# KiCad board data-center-dram-tester.kicad_pcb (continued)
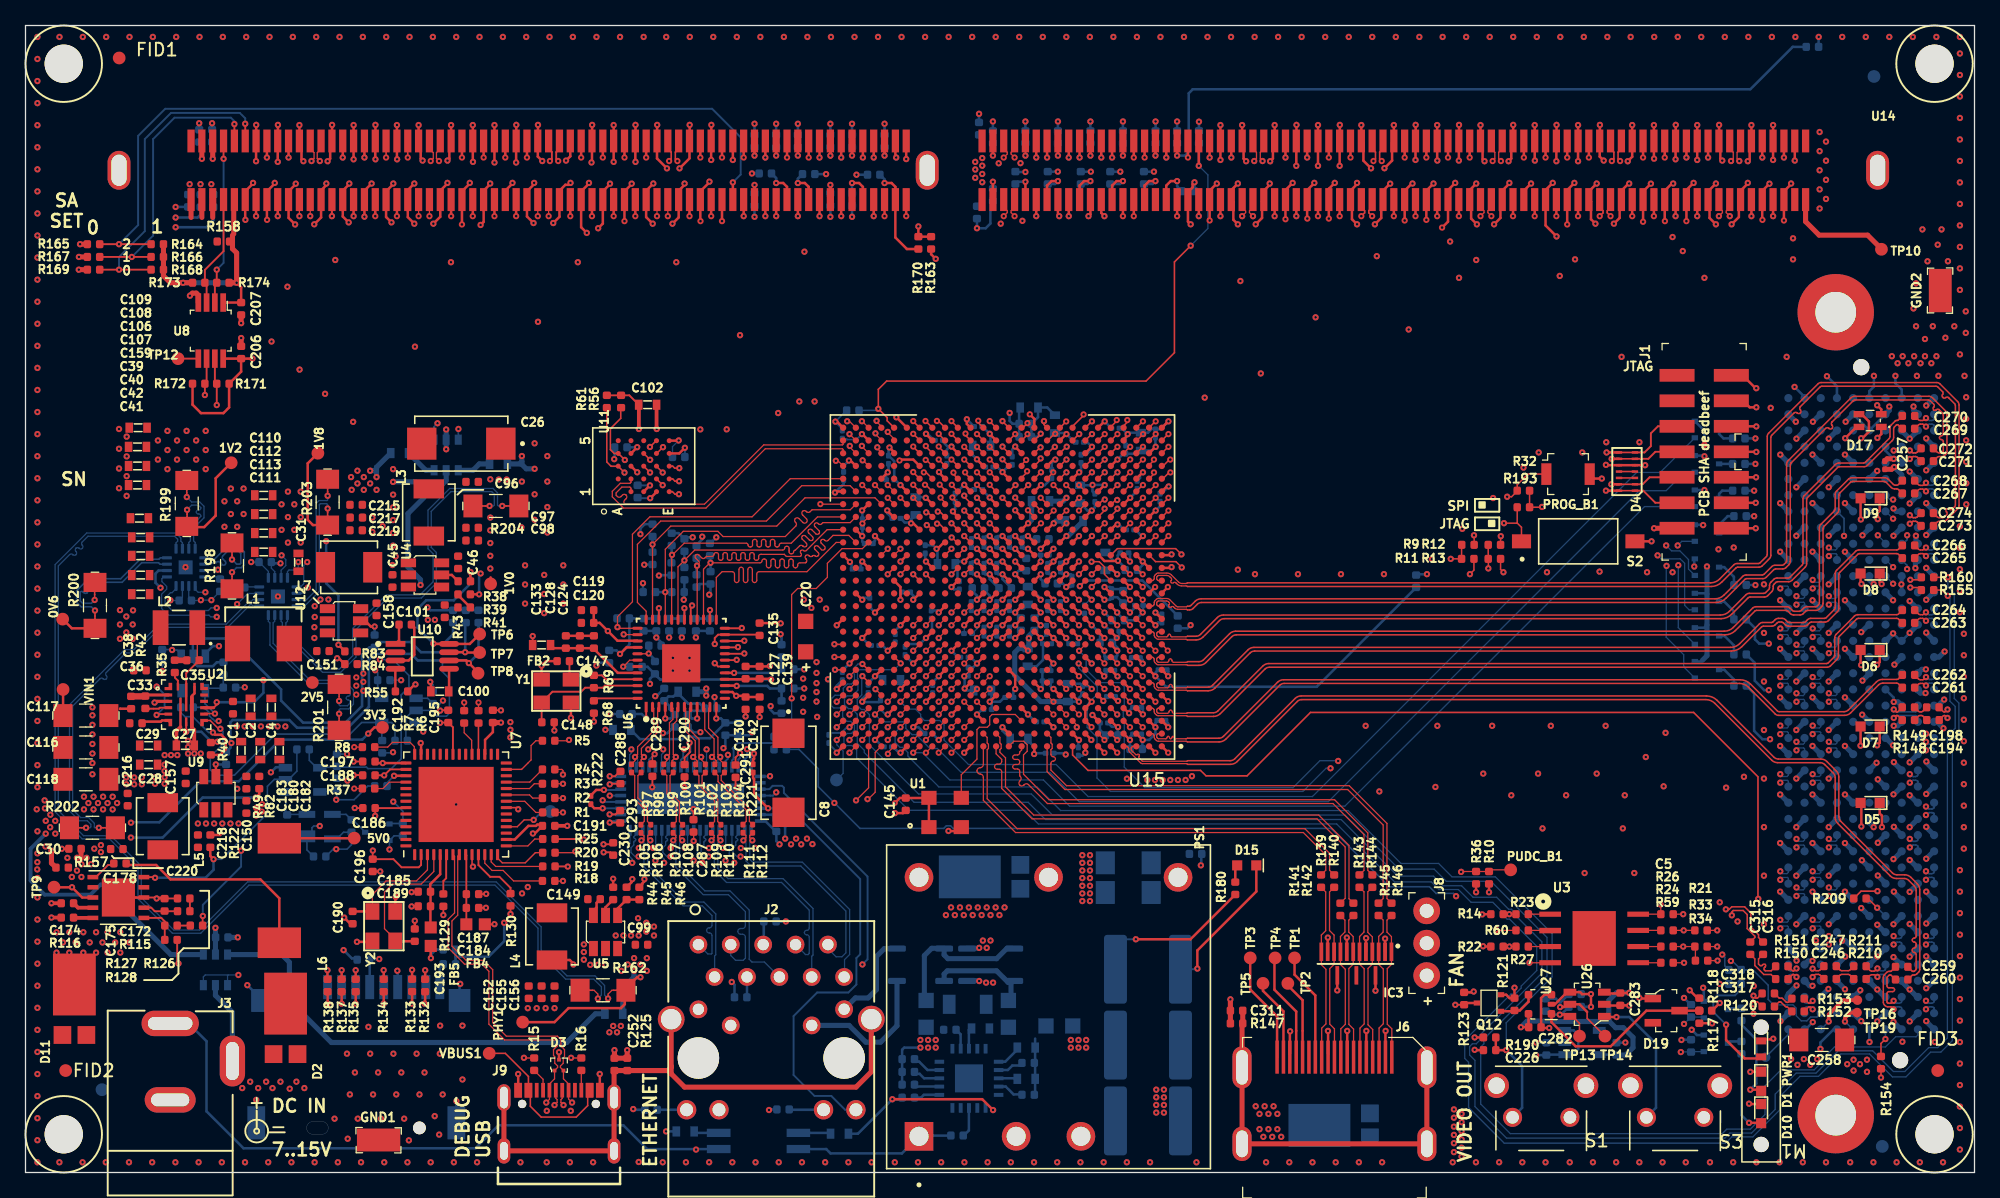
[diagram p0: board, top side]
## Routing (per net, layer and track width the routed paths; a pad name or vN(x,y) marks a point on that pad's centre or on a via; arc(x,y) is an arc through that point) (continued)
DQS0_P: length 73.9
  Top w0.1: v1(132.84,75.04) 133.11,75.31 133.11,75.45 132.84,75.72 U14.153
  Top w0.127: v1(84.66,52.81) 84.56,52.81 84.19,52.44 U15.Y6
  In9.Cu w0.1: v1(84.66,52.81) 84.95,52.81 85.01,52.87 85.01,53.24 85.3,53.52 85.83,53.52 85.99,53.69 89.19,53.69 89.54,53.33 91.18,53.33 91.2,53.35
  In9.Cu w0.143: 91.2,53.35 97.14,53.35 97.22,53.43 arc(97.57,53.58) 97.93,53.43 98.2,53.16 arc(98.34,53.1) 98.48,53.16 arc(98.54,53.3) 98.48,53.44 97.44,54.48 arc(97.3,54.83) 97.44,55.19 arc(97.8,55.33) 98.15,55.19 99.19,54.15 arc(99.33,54.09) 99.47,54.15 arc(99.53,54.29) 99.47,54.43 98.43,55.47 arc(98.29,55.82) 98.43,56.18 arc(98.79,56.32) 99.14,56.18 100.18,55.14 arc(100.32,55.08) 100.46,55.14 arc(100.52,55.28) 100.46,55.42 99.42,56.46 arc(99.28,56.81) 99.42,57.17 arc(99.78,57.31) 100.13,57.17 100.4,56.9 arc(100.54,56.84) 100.68,56.9 110.44,66.65 129.04,66.65 133.11,70.72 133.11,74.77 v1(132.84,75.04)
DQS1_N: length 64.9
  Top w0.127: U15.AA2 88.64,53.94 v3(88.66,53.94) ; v3(124.34,75.04) 124.07,75.3 124.07,75.46 124.34,75.72 U14.163
  In5.Cu w0.09: 91.14,54.52 88.51,54.52 88.3,54.3 88.3,54 88.36,53.94 v3(88.66,53.94)
  In5.Cu w0.127: v3(124.34,75.04) 124.05,74.76 124.05,72.85 106.46,55.26 105.38,55.26 arc(105.21,55.18) 105.14,55.01 105.14,54.8 arc(105.01,54.49) 104.69,54.36 104.54,54.36 arc(104.23,54.49) 104.1,54.8 104.1,55.84 arc(104.05,55.95) 103.94,56 103.79,56 arc(103.68,55.95) 103.64,55.84 103.64,54.85 arc(103.51,54.54) 103.19,54.41 103.04,54.41 arc(102.73,54.54) 102.6,54.85 102.6,55.84 arc(102.55,55.95) 102.44,56 102.29,56 arc(102.18,55.95) 102.14,55.84 102.14,54.96 arc(102.01,54.64) 101.69,54.51 101.54,54.51 arc(101.23,54.64) 101.1,54.96 101.1,55.84 arc(101.05,55.95) 100.94,56 100.79,56 arc(100.68,55.95) 100.64,55.84 100.64,54.96 arc(100.51,54.64) 100.19,54.51 100.04,54.51 arc(99.73,54.64) 99.6,54.96 99.6,55.84 arc(99.55,55.95) 99.44,56 99.29,56 arc(99.18,55.95) 99.14,55.84 99.14,54.96 arc(99.01,54.64) 98.69,54.51 98.54,54.51 arc(98.23,54.64) 98.1,54.96 98.1,55.84 arc(98.05,55.95) 97.94,56 97.79,56 arc(97.68,55.95) 97.64,55.84 97.64,54.96 arc(97.51,54.64) 97.19,54.51 97.04,54.51 arc(96.73,54.64) 96.6,54.96 96.6,55.84 arc(96.55,55.95) 96.44,56 96.29,56 arc(96.18,55.95) 96.14,55.84 96.14,54.96 arc(96.01,54.64) 95.69,54.51 95.54,54.51 arc(95.23,54.64) 95.1,54.96 95.1,55.1 arc(95.05,55.21) 94.94,55.26 94.56,55.26 93.82,54.52 91.14,54.52
DQS1_P: length 65.2
  Top w0.127: U14.164 123.49,75.72 123.75,75.46 123.75,75.3 v3(123.49,75.04) ; U15.AA3 87.64,53.94 v3(87.66,53.94)
  In5.Cu w0.09: 91.14,54.81 88.39,54.81 88.01,54.42 88.01,54.04 87.91,53.94 v3(87.66,53.94)
  In5.Cu w0.127: 91.14,54.81 91.35,54.81 91.36,54.81 arc(91.46,54.85) 91.51,54.96 91.51,54.96 arc(91.55,55.07) 91.66,55.11 arc(91.76,55.07) 91.81,54.96 91.81,54.96 arc(91.85,54.85) 91.96,54.81 93.7,54.81 94.44,55.54 94.94,55.54 arc(95.26,55.41) 95.39,55.1 95.39,54.96 arc(95.43,54.85) 95.54,54.8 95.69,54.8 arc(95.8,54.85) 95.85,54.96 95.85,55.84 arc(95.98,56.16) 96.29,56.29 96.44,56.29 arc(96.76,56.16) 96.89,55.84 96.89,54.96 arc(96.93,54.85) 97.04,54.8 97.19,54.8 arc(97.3,54.85) 97.35,54.96 97.35,55.84 arc(97.48,56.16) 97.79,56.29 97.94,56.29 arc(98.26,56.16) 98.39,55.84 98.39,54.96 arc(98.43,54.85) 98.54,54.8 98.69,54.8 arc(98.8,54.85) 98.85,54.96 98.85,55.84 arc(98.98,56.16) 99.29,56.29 99.44,56.29 arc(99.76,56.16) 99.89,55.84 99.89,54.96 arc(99.93,54.85) 100.04,54.8 100.19,54.8 arc(100.3,54.85) 100.35,54.96 100.35,55.84 arc(100.48,56.16) 100.79,56.29 100.94,56.29 arc(101.26,56.16) 101.39,55.84 101.39,54.96 arc(101.43,54.85) 101.54,54.8 101.69,54.8 arc(101.8,54.85) 101.85,54.96 101.85,55.84 arc(101.98,56.16) 102.29,56.29 102.44,56.29 arc(102.76,56.16) 102.89,55.84 102.89,54.85 arc(102.93,54.74) 103.04,54.69 103.19,54.69 arc(103.3,54.74) 103.35,54.85 103.35,55.84 arc(103.48,56.16) 103.79,56.29 103.94,56.29 arc(104.26,56.16) 104.39,55.84 104.39,54.8 arc(104.43,54.69) 104.54,54.64 104.69,54.64 arc(104.8,54.69) 104.85,54.8 104.85,55.04 arc(105,55.4) 105.35,55.54 106.34,55.54 123.77,72.97 123.77,74.76 v3(123.49,75.04)
DQS2_N: length 48.4
  Top w0.1: U14.174 114.99,75.72 114.71,75.45 114.71,75.31 v2(114.99,75.04)
  Top w0.127: v2(89.8,55.94) 89.73,55.94 89.23,55.44 U15.AC1
  In2.Cu w0.1: 91.2,55.48 91.18,55.49 90.75,55.49 90.69,55.44 90.69,54.7 90.24,54.25 89.34,54.25 88.95,54.64 88.95,55.22 89.32,55.58 89.72,55.58 89.8,55.67 v2(89.8,55.94)
  In2.Cu w0.143: v2(114.99,75.04) 114.71,74.77 114.71,70.9 102.61,58.8 102.61,58.8 102.57,58.76 arc(102.53,58.58) 102.61,58.41 102.78,58.24 arc(102.95,57.83) 102.78,57.43 arc(102.37,57.26) 101.97,57.43 101.09,58.31 arc(100.89,58.39) 100.7,58.31 arc(100.62,58.12) 100.7,57.92 101.58,57.04 arc(101.75,56.63) 101.58,56.23 arc(101.17,56.06) 100.77,56.23 99.88,57.11 arc(99.69,57.19) 99.49,57.11 arc(99.41,56.91) 99.49,56.72 99.61,56.61 arc(99.77,56.2) 99.61,55.79 99.29,55.48 91.2,55.48
DQS2_P: length 48.7
  Top w0.1: v2(114.14,75.04) 114.41,75.31 114.41,75.45 114.14,75.72 U14.175
  Top w0.127: U15.AB1 89.22,54.44 89.71,54.93 v2(89.81,54.93)
  In2.Cu w0.1: 91.2,55.78 91.19,55.76 90.63,55.76 90.42,55.55 90.42,54.81 90.13,54.52 89.46,54.52 89.22,54.75 89.22,55.1 89.43,55.31 89.71,55.31 89.81,55.21 v2(89.81,54.93)
  In2.Cu w0.143: 91.2,55.78 94.28,55.78 arc(94.44,55.85) 94.5,56 94.5,56.04 arc(94.57,56.2) 94.73,56.26 arc(94.89,56.2) 94.95,56.04 94.95,56 arc(95.02,55.85) 95.18,55.78 arc(95.34,55.85) 95.4,56 95.4,56.04 arc(95.47,56.2) 95.63,56.26 arc(95.79,56.2) 95.85,56.04 95.85,56 arc(95.92,55.85) 96.08,55.78 arc(96.24,55.85) 96.3,56 96.3,56.04 arc(96.37,56.2) 96.53,56.26 arc(96.69,56.2) 96.75,56.04 96.75,56 arc(96.82,55.85) 96.98,55.78 99.17,55.78 99.39,56.01 arc(99.47,56.2) 99.39,56.39 99.39,56.4 99.28,56.51 arc(99.11,56.91) 99.28,57.32 arc(99.69,57.49) 100.1,57.32 100.98,56.44 arc(101.17,56.36) 101.37,56.44 arc(101.45,56.63) 101.37,56.83 100.48,57.71 arc(100.32,58.12) 100.48,58.52 arc(100.89,58.69) 101.3,58.52 102.18,57.64 arc(102.37,57.56) 102.57,57.64 arc(102.65,57.83) 102.57,58.03 102.4,58.2 arc(102.23,58.6) 102.4,59.01 114.41,71.02 114.41,74.77 v2(114.14,75.04)
DQS3_N: length 42
  Top w0.127: v3(105.64,75.04) 105.37,75.3 105.37,75.46 105.64,75.72 U14.185 ; v3(86.43,59.04) 86.43,58.88 86.14,58.59 U15.AF4
  In5.Cu w0.09: v3(86.43,59.04) 86.39,59.04 86.16,59.27 86.16,60.42
  In5.Cu w0.127: v3(105.64,75.04) 105.35,74.76 105.35,73.68 100.83,69.16 91.67,69.16 arc(91.35,69.29) 91.22,69.61 91.22,69.7 arc(91.17,69.82) 91.06,69.87 91.02,69.87 arc(90.91,69.82) 90.86,69.7 90.86,69.61 arc(90.73,69.29) 90.41,69.16 90.26,69.16 arc(90.2,69.14) 90.15,69.11 89.77,68.73 arc(89.42,68.59) 89.07,68.73 88.97,68.83 arc(88.83,68.89) 88.68,68.83 arc(88.62,68.69) 88.68,68.54 89.38,67.84 arc(89.52,67.49) 89.38,67.15 arc(89.03,67) 88.68,67.15 87.98,67.84 arc(87.84,67.9) 87.69,67.84 arc(87.63,67.7) 87.69,67.55 88.39,66.85 arc(88.53,66.5) 88.39,66.16 88.39,66.16 arc(88.04,66.01) 87.69,66.16 86.99,66.85 arc(86.85,66.91) 86.7,66.85 arc(86.64,66.71) 86.7,66.56 87.4,65.86 arc(87.54,65.51) 87.4,65.17 arc(87.05,65.02) 86.7,65.17 86.6,65.27 arc(86.45,65.33) 86.31,65.27 86.16,65.12 86.16,61.4 arc(86.22,61.26) 86.36,61.2 86.37,61.2 arc(86.51,61.14) 86.57,61 arc(86.51,60.86) 86.37,60.8 86.36,60.8 arc(86.22,60.74) 86.16,60.6 86.16,60.42
DQS3_P: length 41.6
  Top w0.127: v3(85.6,59.04) 85.6,58.97 85.14,58.51 U15.AF5 ; v3(104.79,75.04) 105.05,75.3 105.05,75.46 104.79,75.72 U14.186
  In5.Cu w0.09: 85.87,60.42 85.87,59.28 85.63,59.04 v3(85.6,59.04)
  In5.Cu w0.127: v3(104.79,75.04) 105.07,74.76 105.07,73.8 100.71,69.44 91.67,69.44 arc(91.56,69.49) 91.51,69.61 91.51,69.7 arc(91.38,70.02) 91.06,70.15 91.02,70.15 arc(90.7,70.02) 90.57,69.7 90.57,69.61 arc(90.52,69.49) 90.41,69.44 90.21,69.44 arc(90.09,69.42) 89.99,69.35 89.57,68.94 arc(89.42,68.87) 89.28,68.94 89.18,69.04 arc(88.83,69.18) 88.48,69.04 arc(88.33,68.69) 88.48,68.34 89.18,67.64 arc(89.24,67.49) 89.18,67.35 arc(89.03,67.29) 88.88,67.35 88.19,68.05 arc(87.84,68.19) 87.49,68.05 arc(87.34,67.7) 87.49,67.35 88.19,66.65 arc(88.25,66.5) 88.19,66.36 arc(88.04,66.3) 87.89,66.36 87.2,67.06 arc(86.85,67.2) 86.5,67.06 arc(86.35,66.71) 86.5,66.36 87.2,65.66 arc(87.26,65.51) 87.2,65.37 arc(87.05,65.31) 86.9,65.37 86.8,65.47 arc(86.45,65.61) 86.1,65.47 85.87,65.24 85.87,60.42
DQS4_N: length 38.9
  Top w0.1: U14.244 v3(50.39,75.04)
  Top w0.127: U15.AF17 72.64,58.94 v3(72.64,58.96)
  In5.Cu w0.09: v3(72.64,58.96) 72.64,58.69 72.55,58.6 72.41,58.6 72.23,58.79 72.23,60.46 72.23,60.46
  In5.Cu w0.127: 72.23,60.46 72.23,60.66 arc(72.28,60.79) 72.4,60.84 72.59,60.84 arc(72.71,60.89) 72.76,61.01 arc(72.71,61.14) 72.59,61.19 72.4,61.19 arc(72.28,61.24) 72.23,61.36 72.23,62 68.29,65.94 67.8,65.94 arc(67.45,65.8) 67.31,65.45 67.31,65.02 arc(67.25,64.88) 67.1,64.82 arc(66.95,64.88) 66.89,65.02 66.89,66.58 arc(66.75,66.92) 66.4,67.07 arc(66.05,66.92) 65.91,66.58 65.91,66.15 arc(65.85,66) 65.7,65.94 61.16,65.94 56.96,70.14 53.51,70.14 50.1,73.55 50.1,74.76 v3(50.39,75.04)
DQS4_P: length 38.6
  Top w0.1: U14.245 v3(49.54,75.04)
  Top w0.127: U15.AE17 72.64,57.94 v3(72.64,57.96)
  In5.Cu w0.09: 71.94,60.46 71.94,60.46 71.94,58.67 72.29,58.31 72.58,58.31 72.64,58.25 v3(72.64,57.96)
  In5.Cu w0.127: 71.94,60.46 71.94,61.88 68.17,65.66 67.8,65.66 arc(67.65,65.6) 67.59,65.45 67.59,65.02 arc(67.45,64.68) 67.1,64.53 arc(66.75,64.68) 66.61,65.02 66.61,66.58 arc(66.55,66.72) 66.4,66.78 arc(66.25,66.72) 66.19,66.58 66.19,66.15 arc(66.05,65.8) 65.7,65.66 61.04,65.66 56.84,69.86 53.39,69.86 49.82,73.43 49.82,74.76 v3(49.54,75.04)
DQS5_N: length 54.9
  Top w0.1: U14.255 v2(41.04,75.04)
  Top w0.127: U15.AD18 71.64,56.94 v2(71.64,56.96)
  In2.Cu w0.1: v2(71.64,56.96) 71.64,56.63 71.59,56.58 70.33,56.58 70.29,56.53 69.46,56.53 68.34,57.66 68.34,58.63 67.84,59.13 67.84,59.91 67.55,60.2 67.55,60.5
  In2.Cu w0.143: v2(41.04,75.04) 40.76,74.77 40.76,70.79 41.25,70.3 arc(41.39,70.24) 41.53,70.3 41.64,70.41 arc(41.99,70.55) 42.35,70.41 42.35,70.41 arc(42.49,70.05) 42.35,69.7 41.99,69.35 41.64,68.99 arc(41.58,68.85) 41.64,68.71 41.64,68.71 arc(41.78,68.65) 41.92,68.71 42.63,69.42 arc(42.98,69.56) 43.34,69.42 43.34,69.42 arc(43.48,69.06) 43.34,68.71 42.63,68 arc(42.57,67.86) 42.63,67.72 42.63,67.72 arc(42.77,67.66) 42.91,67.72 43.02,67.83 arc(43.37,67.97) 43.73,67.83 46.31,65.24 64.81,65.24 65.24,64.81 arc(65.38,64.48) 65.24,64.14 65.13,64.03 arc(65.08,63.91) 65.13,63.79 65.21,63.72 arc(65.33,63.66) 65.45,63.72 65.45,63.72 66.12,64.38 arc(66.45,64.52) 66.79,64.38 66.86,64.31 arc(67,63.97) 66.86,63.64 66.2,62.97 arc(66.14,62.85) 66.2,62.73 66.27,62.66 arc(66.39,62.6) 66.51,62.66 66.62,62.76 arc(66.96,62.9) 67.29,62.76 67.55,62.5 67.55,60.5
DQS5_P: length 55.3
  Top w0.1: U14.256 v2(40.19,75.04)
  Top w0.127: U15.AC18 v2(71.64,55.94)
  In2.Cu w0.1: 67.25,60.5 67.25,60.17 67.56,59.85 67.56,59.02 68.06,58.52 68.06,57.54 69.34,56.27 70.4,56.27 70.45,56.31 71.57,56.31 71.64,56.24 v2(71.64,55.94)
  In2.Cu w0.143: v2(40.19,75.04) 40.46,74.77 40.46,70.67 41.04,70.09 arc(41.39,69.94) 41.75,70.09 41.85,70.19 arc(41.99,70.25) 42.13,70.19 42.13,70.19 arc(42.19,70.05) 42.13,69.91 41.78,69.56 41.78,69.56 41.43,69.21 arc(41.28,68.85) 41.43,68.5 arc(41.78,68.35) 42.14,68.5 42.84,69.2 arc(42.98,69.26) 43.12,69.2 arc(43.18,69.06) 43.12,68.92 42.42,68.22 arc(42.27,67.86) 42.42,67.51 arc(42.77,67.36) 43.13,67.51 43.23,67.61 arc(43.37,67.67) 43.51,67.61 46.19,64.94 64.69,64.94 65.03,64.6 arc(65.08,64.48) 65.03,64.35 64.92,64.25 arc(64.78,63.91) 64.92,63.57 64.99,63.5 arc(65.33,63.36) 65.66,63.5 65.67,63.5 66.33,64.17 arc(66.45,64.22) 66.58,64.17 66.65,64.1 arc(66.7,63.97) 66.65,63.85 66.65,63.85 65.98,63.19 arc(65.84,62.85) 65.98,62.51 66.05,62.44 arc(66.39,62.3) 66.73,62.44 66.83,62.55 arc(66.96,62.6) 67.08,62.55 67.25,62.38 67.25,60.5
DQS6_N: length 65.2
  Top w0.1: U14.266 v3(31.69,75.04)
  Top w0.127: v3(71.78,52.96) 71.78,52.92 72.14,52.56 U15.Y18
  In5.Cu w0.09: 62.1,56.64 62.1,56.65 62.56,56.65 63.04,56.16 63.04,55.69 63.31,55.43 66.4,55.43 66.82,55.85 70.83,55.85 71.26,55.42 71.26,55.15 71.24,55.13 71.24,54.79 71.26,54.76 71.26,53.41 71.34,53.34 71.34,52.81 71.58,52.56 71.99,52.56 72.1,52.67 72.1,52.92 72.06,52.96 v3(71.78,52.96)
  In5.Cu w0.127: 62.1,56.64 61.93,56.64 arc(61.83,56.69) 61.78,56.79 61.78,56.8 arc(61.74,56.91) 61.63,56.95 arc(61.53,56.91) 61.48,56.8 61.48,56.79 arc(61.44,56.69) 61.33,56.64 arc(61.23,56.69) 61.18,56.79 61.18,56.8 arc(61.14,56.91) 61.03,56.95 arc(60.93,56.91) 60.88,56.8 60.88,56.79 arc(60.84,56.69) 60.73,56.64 arc(60.63,56.69) 60.58,56.79 60.58,56.8 arc(60.54,56.91) 60.43,56.95 arc(60.33,56.91) 60.28,56.8 60.28,56.79 arc(60.24,56.69) 60.13,56.64 arc(60.03,56.69) 59.98,56.79 59.98,56.8 arc(59.94,56.91) 59.83,56.95 arc(59.73,56.91) 59.68,56.8 59.68,56.79 arc(59.64,56.69) 59.53,56.64 arc(59.43,56.69) 59.38,56.79 59.38,56.8 arc(59.34,56.91) 59.23,56.95 arc(59.13,56.91) 59.08,56.8 59.08,56.79 arc(59.04,56.69) 58.93,56.64 57.76,56.64 52.36,62.04 41.95,62.04 41.76,62.23 arc(41.72,62.34) 41.76,62.45 41.86,62.55 arc(41.99,62.87) 41.86,63.18 41.79,63.25 arc(41.48,63.38) 41.17,63.25 40.54,62.62 arc(40.43,62.58) 40.32,62.62 40.25,62.7 arc(40.2,62.81) 40.25,62.92 40.87,63.54 arc(41,63.86) 40.87,64.17 40.8,64.24 arc(40.49,64.37) 40.18,64.24 39.55,63.61 arc(39.44,63.57) 39.33,63.61 39.26,63.69 arc(39.21,63.8) 39.26,63.91 39.88,64.53 arc(40.01,64.85) 39.88,65.16 39.81,65.23 arc(39.5,65.36) 39.19,65.23 38.56,64.6 arc(38.45,64.56) 38.34,64.6 38.27,64.68 arc(38.22,64.79) 38.27,64.9 38.37,65 arc(38.5,65.31) 38.37,65.63 31.4,72.59 31.4,74.76 v3(31.69,75.04)
DQS6_P: length 64.4
  Top w0.1: U14.267 v3(30.84,75.04)
  Top w0.127: v3(72.71,52.96) 72.71,52.93 73.14,52.5 U15.Y17
  In5.Cu w0.09: v3(72.71,52.96) 72.45,52.96 72.39,52.9 72.39,52.55 72.11,52.27 71.46,52.27 71.05,52.69 71.05,53.34 70.97,53.41 70.97,55.3 70.71,55.56 66.94,55.56 66.52,55.14 63.19,55.14 62.75,55.57 62.75,56.04 62.44,56.36 62.1,56.36 62.1,56.36
  In5.Cu w0.127: v3(30.84,75.04) 31.12,74.76 31.12,72.47 38.16,65.42 arc(38.21,65.31) 38.16,65.2 38.06,65.1 arc(37.93,64.79) 38.06,64.47 38.13,64.4 arc(38.45,64.27) 38.76,64.4 39.39,65.03 arc(39.5,65.07) 39.61,65.03 39.68,64.96 arc(39.73,64.85) 39.68,64.74 39.05,64.11 arc(38.92,63.8) 39.05,63.48 39.12,63.41 arc(39.44,63.28) 39.75,63.41 40.38,64.04 arc(40.49,64.09) 40.6,64.04 40.67,63.97 arc(40.72,63.86) 40.67,63.75 40.04,63.12 arc(39.91,62.81) 40.04,62.49 40.11,62.42 arc(40.43,62.29) 40.74,62.42 41.37,63.05 arc(41.48,63.1) 41.59,63.05 41.66,62.98 arc(41.71,62.87) 41.66,62.76 41.56,62.66 arc(41.43,62.34) 41.56,62.03 41.83,61.76 52.24,61.76 57.64,56.36 62.1,56.36
DQS7_N: length 74.4
  Top w0.1: U14.277 v1(22.34,75.04)
  Top w0.127: U15.V17 v1(72.64,50.94)
  In9.Cu w0.1: v1(72.64,50.94) 72.9,50.94 73,50.84 73,50.63 72.87,50.49 72.38,50.49 72.18,50.7 72.18,51.54 72.31,51.68 72.31,53.61 70.12,55.81 70.12,59.04 70.44,59.36 70.44,60.56 70.45,60.57
  In9.Cu w0.143: 70.45,60.57 70.45,60.66 arc(70.48,60.74) 70.56,60.78 arc(70.65,60.81) 70.68,60.89 70.68,60.95 arc(70.65,61.04) 70.56,61.07 arc(70.48,61.1) 70.45,61.19 70.45,61.25 arc(70.48,61.33) 70.56,61.36 arc(70.65,61.4) 70.68,61.48 70.68,61.54 arc(70.65,61.62) 70.56,61.66 arc(70.48,61.69) 70.45,61.77 70.45,62.67 69.47,63.65 55.36,63.65 55.06,63.95 54.65,63.95 arc(54.3,63.81) 54.16,63.46 54.16,63.31 arc(54.1,63.17) 53.96,63.11 53.9,63.11 arc(53.76,63.17) 53.71,63.31 53.71,63.6 arc(53.56,63.95) 53.21,64.09 28.87,64.09 22.06,70.9 22.06,74.77 v1(22.34,75.04)
DQS7_P: length 74.8
  Top w0.1: U14.278 v1(21.49,75.04)
  Top w0.127: U15.V16 v1(73.64,50.94)
  In9.Cu w0.1: v1(73.64,50.94) 73.34,50.94 73.27,50.87 73.27,50.52 73,50.25 72.25,50.25 71.93,50.57 71.93,51.63 72.04,51.75 72.04,53.49 69.84,55.69 69.84,59.16 70.16,59.48 70.16,60.55 70.15,60.57
  In9.Cu w0.143: 70.15,60.57 70.15,62.55 69.35,63.35 55.24,63.35 54.94,63.65 54.65,63.65 arc(54.51,63.59) 54.46,63.46 54.46,63.31 arc(54.31,62.96) 53.96,62.81 53.9,62.81 arc(53.55,62.96) 53.41,63.31 53.41,63.6 arc(53.35,63.74) 53.21,63.79 28.74,63.79 21.76,70.78 21.76,74.77 v1(21.49,75.04)
DQS8_N: length 56.9
  Top w0.1: v1(96.29,75.04) 96.01,75.31 96.01,75.45 96.29,75.72 U14.196
  Top w0.127: U15.P20 v1(69.64,46.94)
  In7.Cu w0.09: v1(69.64,46.94) 69.92,46.94 69.99,46.87 69.99,46.44 70.5,45.94 71.21,45.94 71.84,46.57 71.84,47.85 70.19,49.5 70.19,53.13 71.21,54.14 71.21,57.42 71.65,57.86 71.65,60.44 71.7,60.5
  In7.Cu w0.166: v1(96.29,75.04) 96.06,74.81 96.06,71.59 92.19,67.73 81.1,67.73 arc(80.82,67.78) 80.58,67.94 80.22,68.3 80.22,68.3 arc(80.06,68.41) 79.87,68.45 78.93,68.45 arc(78.74,68.41) 78.58,68.3 78.58,68.3 78.22,67.94 arc(77.98,67.78) 77.7,67.73 76.7,67.73 arc(76.42,67.78) 76.18,67.94 75.78,68.34 arc(75.62,68.45) 75.43,68.49 75.19,68.49 arc(75,68.45) 74.84,68.34 71.7,65.21 71.7,60.5
DQS8_P: length 56.9
  Top w0.1: v1(95.44,75.04) 95.71,75.31 95.71,75.45 95.44,75.72 U14.197
  Top w0.127: U15.P19 v1(70.64,46.94)
  In7.Cu w0.09: v1(70.64,46.94) 70.34,46.94 70.28,46.88 70.28,46.56 70.62,46.22 71.09,46.22 71.15,46.28 arc(71.18,46.36) 71.15,46.45 71.14,46.45 arc(71.11,46.54) 71.14,46.62 arc(71.23,46.66) 71.31,46.62 71.32,46.62 arc(71.4,46.58) 71.49,46.62 71.56,46.69 71.56,47.12 arc(71.52,47.21) 71.43,47.25 arc(71.34,47.28) 71.31,47.37 arc(71.34,47.46) 71.43,47.5 arc(71.52,47.53) 71.56,47.62 71.56,47.73 70.53,48.76 arc(70.42,48.8) 70.32,48.76 70.3,48.74 arc(70.19,48.69) 70.09,48.74 arc(70.04,48.84) 70.09,48.95 70.1,48.97 arc(70.15,49.07) 70.1,49.18 69.91,49.38 69.91,53.25 70.91,54.26 70.91,57.54 71.35,57.98 71.35,60.44 71.31,60.49
  In7.Cu w0.166: 71.31,60.49 71.31,65.37 74.61,68.67 arc(74.85,68.83) 75.12,68.88 75.5,68.88 arc(75.77,68.83) 76.01,68.67 76.41,68.26 arc(76.57,68.16) 76.77,68.12 77.63,68.12 arc(77.83,68.16) 77.99,68.26 78.35,68.63 78.35,68.63 arc(78.59,68.78) 78.86,68.84 79.94,68.84 arc(80.21,68.78) 80.45,68.63 80.45,68.63 80.81,68.26 arc(80.97,68.16) 81.17,68.12 92.03,68.12 95.67,71.75 95.67,74.81 v1(95.44,75.04)
DQS9_N: length 74.3
  Top w0.1: v1(133.79,79.36) 133.96,79.54 133.96,80.05 133.69,80.32 U14.8
  Top w0.127: U15.W5 85.14,51.51 85.65,52.02 v1(85.65,52.09)
  In9.Cu w0.1: v1(85.65,52.09) 85.36,52.09 85.29,52.01 85.29,51.62 85.37,51.55 87.13,51.55 88.25,52.67 89.35,52.67 89.86,52.15 91.2,52.15
  In9.Cu w0.143: v1(133.79,79.36) 133.96,79.19 133.96,76.5 134.27,76.19 134.27,69.88 129.54,65.15 111.94,65.15 103.93,57.15 103.86,57.07 arc(103.71,56.7) 103.86,56.33 103.86,56.33 104.04,56.15 arc(104.1,55.99) 104.04,55.83 arc(103.88,55.77) 103.72,55.83 102.86,56.69 102.86,56.69 arc(102.49,56.85) 102.12,56.69 arc(101.97,56.32) 102.12,55.95 102.12,55.95 102.27,55.8 arc(102.33,55.64) 102.27,55.48 98.94,52.15 96.53,52.15 arc(96.39,52.21) 96.33,52.35 96.33,52.41 arc(96.26,52.57) 96.1,52.64 arc(95.94,52.57) 95.88,52.41 95.88,52.38 arc(95.81,52.22) 95.65,52.15 arc(95.49,52.22) 95.43,52.38 95.43,52.41 arc(95.36,52.57) 95.2,52.64 arc(95.04,52.57) 94.98,52.41 94.98,52.38 arc(94.91,52.22) 94.75,52.15 91.2,52.15
DQS9_P: length 74.1
  Top w0.1: U14.7 134.54,80.32 134.26,80.05 134.26,79.54 v1(134.44,79.36)
  Top w0.127: U15.W6 84.65,51.95 v1(84.65,52.09)
  In9.Cu w0.1: v1(84.65,52.09) 84.96,52.09 85.02,52.03 85.02,51.51 85.26,51.28 87.25,51.28 88.37,52.39 89.24,52.39 89.78,51.85 91.2,51.85
  In9.Cu w0.143: 91.2,51.85 99.06,51.85 102.48,55.27 arc(102.64,55.64) 102.48,56.01 102.33,56.16 102.33,56.16 arc(102.27,56.32) 102.33,56.48 arc(102.49,56.55) 102.65,56.48 102.65,56.48 103.51,55.62 arc(103.88,55.46) 104.25,55.62 arc(104.41,55.99) 104.25,56.36 104.07,56.54 arc(104.01,56.7) 104.07,56.86 104.15,56.93 112.06,64.85 129.66,64.85 134.57,69.76 134.57,76.31 134.26,76.62 134.26,79.19 v1(134.44,79.36)
DQS10_N: length 65.7
  Top w0.127: v3(87.66,51.94) 87.64,51.94 U15.W3 ; v3(124.44,79.36) 124.6,79.53 124.6,80.06 124.34,80.32 U14.19
  In5.Cu w0.09: v3(87.66,51.94) 87.66,51.67 87.74,51.58 88.22,51.58 88.44,51.36 89.31,51.36 90.09,52.14 90.09,53.11 90.57,53.59 91.13,53.59
  In5.Cu w0.127: v3(124.44,79.36) 124.62,79.18 124.62,76.52 125.07,76.07 125.07,72.24 106.42,53.59 94.31,53.59 arc(93.95,53.45) 93.81,53.1 93.81,52.92 arc(93.83,52.8) 93.9,52.7 93.9,52.7 94.44,52.16 arc(94.47,52.11) 94.48,52.06 94.48,51.84 94.48,51.68 arc(94.47,51.63) 94.44,51.58 94.4,51.54 arc(94.36,51.51) 94.3,51.5 93.6,51.5 arc(93.46,51.56) 93.4,51.7 93.4,53.44 arc(93.26,53.79) 92.91,53.94 92.6,53.94 arc(92.25,53.79) 92.11,53.44 92.11,51.7 arc(92.05,51.56) 91.91,51.5 arc(91.76,51.56) 91.7,51.7 91.7,53.1 arc(91.56,53.45) 91.21,53.59 91.13,53.59
DQS10_P: length 67.4
  Top w0.127: v3(87.66,50.94) 87.64,50.94 U15.V3 ; U14.18 125.19,80.32 124.92,80.06 124.92,79.53 v3(125.09,79.36)
  In5.Cu w0.09: v3(87.66,50.94) 87.66,51.22 87.73,51.29 88.1,51.29 88.32,51.08 89.43,51.08 89.57,51.22 arc(89.66,51.26) 89.75,51.22 89.87,51.1 arc(89.96,51.06) 90.05,51.1 arc(90.09,51.18) 90.05,51.27 89.93,51.4 arc(89.89,51.48) 89.93,51.57 89.98,51.62 arc(90.07,51.66) 90.15,51.62 90.26,51.52 arc(90.35,51.48) 90.44,51.52 arc(90.47,51.6) 90.44,51.69 90.33,51.8 arc(90.29,51.89) 90.33,51.98 90.38,52.02 90.38,52.99 90.69,53.31 91.13,53.31
  In5.Cu w0.127: 91.13,53.31 91.21,53.31 arc(91.35,53.24) 91.41,53.1 91.41,51.7 arc(91.55,51.35) 91.91,51.2 arc(92.26,51.35) 92.4,51.7 92.4,53.44 arc(92.46,53.58) 92.6,53.64 92.91,53.64 arc(93.05,53.58) 93.11,53.44 93.11,51.7 arc(93.25,51.35) 93.6,51.21 94.35,51.21 arc(94.47,51.23) 94.57,51.3 94.68,51.41 arc(94.74,51.51) 94.77,51.63 94.77,51.84 94.77,52.11 arc(94.74,52.23) 94.68,52.33 94.14,52.86 94.14,52.86 arc(94.11,52.91) 94.1,52.97 94.1,53.1 arc(94.16,53.24) 94.31,53.31 106.54,53.31 125.35,72.12 125.35,76.19 124.9,76.64 124.9,79.18 v3(125.09,79.36)
DQS11_N: length 50.1
  Top w0.1: U14.30 114.99,80.32 115.26,80.05 115.26,79.54 v2(115.09,79.36)
  Top w0.127: v2(89.66,52.94) 89.16,52.44 U15.Y1
  In2.Cu w0.1: v2(89.66,52.94) 89.66,52.64 89.73,52.57 90.14,52.57 90.22,52.65 90.22,53.64 90.83,54.25 91.2,54.25
  In2.Cu w0.143: 91.2,54.25 91.84,54.25 92.36,54.77 100.96,54.77 104.04,57.86 arc(104.42,58.01) 104.79,57.86 105.07,57.57 arc(105.23,57.51) 105.39,57.57 arc(105.45,57.73) 105.39,57.89 104.32,58.96 104.32,58.96 arc(104.17,59.33) 104.32,59.7 arc(104.69,59.85) 105.06,59.7 105.32,59.45 arc(105.48,59.38) 105.63,59.45 106.43,60.24 115.69,69.5 115.69,75.86 115.26,76.29 115.26,79.19 v2(115.09,79.36)
DQS11_P: length 51.8
  Top w0.1: v2(115.74,79.36) 115.56,79.54 115.56,80.05 115.84,80.32 U14.29
  Top w0.127: v2(89.66,51.94) 89.16,51.44 U15.W1
  In2.Cu w0.1: v2(89.66,51.94) 89.66,52.26 89.7,52.3 90.26,52.3 90.49,52.53 90.49,53.52 90.91,53.95 91.2,53.95
  In2.Cu w0.143: 91.2,53.95 91.97,53.95 92.48,54.47 92.97,54.47 arc(93.09,54.42) 93.14,54.3 arc(93.2,54.17) 93.32,54.12 93.37,54.12 arc(93.49,54.17) 93.54,54.3 arc(93.6,54.42) 93.72,54.47 93.77,54.47 arc(93.89,54.42) 93.94,54.3 arc(94,54.17) 94.12,54.12 94.17,54.12 arc(94.29,54.17) 94.34,54.3 arc(94.4,54.42) 94.52,54.47 94.57,54.47 arc(94.69,54.42) 94.74,54.3 arc(94.8,54.17) 94.92,54.12 94.97,54.12 arc(95.09,54.17) 95.14,54.3 arc(95.2,54.42) 95.32,54.47 101.08,54.47 104.26,57.64 arc(104.42,57.71) 104.57,57.64 104.86,57.36 arc(105.23,57.21) 105.6,57.36 arc(105.75,57.73) 105.6,58.1 104.53,59.17 104.53,59.17 arc(104.47,59.33) 104.53,59.49 arc(104.69,59.55) 104.85,59.49 104.85,59.49 105.1,59.23 arc(105.48,59.08) 105.85,59.23 115.99,69.38 115.99,75.98 115.56,76.41 115.56,79.19 v2(115.74,79.36)
DQS12_N: length 42.6
  Top w0.127: U14.41 105.64,80.32 105.9,80.06 105.9,79.53 v3(105.74,79.36) ; v3(87.66,56.94) 87.64,56.94 U15.AD3
  In5.Cu w0.09: 87.23,60.44 87.24,60.43 87.24,60.2 87.24,57.78 87.3,57.72 87.3,57.29 v3(87.66,56.94)
  In5.Cu w0.127: 87.23,60.44 87.23,60.64 arc(87.28,60.77) 87.41,60.82 arc(87.53,60.87) 87.58,60.99 arc(87.53,61.12) 87.41,61.17 arc(87.28,61.22) 87.23,61.34 87.23,64.13 90.76,67.66 100.98,67.66 106.59,73.27 106.59,76.83 106.23,77.19 arc(106.16,77.36) 106.23,77.54 106.24,77.55 arc(106.31,77.73) 106.24,77.9 arc(106.06,77.98) 105.89,77.9 105.88,77.89 arc(105.7,77.82) 105.52,77.89 105.11,78.31 105.11,79.81 105.29,79.98 105.71,79.98 105.92,79.78 105.92,79.55 v3(105.74,79.36)
DQS12_P: length 42.5
  Top w0.127: U15.AD4 86.64,56.94 v3(86.66,56.94) ; U14.40 106.49,80.32 106.22,80.06 106.22,79.53 v3(106.39,79.36)
  In5.Cu w0.09: 86.95,60.44 86.95,60.44 86.95,60.2 86.95,57.66 87.01,57.6 87.01,57.29 v3(86.66,56.94)
  In5.Cu w0.127: v3(106.39,79.36) 106.2,79.55 106.2,79.9 105.83,80.27 105.17,80.27 104.83,79.93 104.83,78.19 106.31,76.71 106.31,73.39 100.86,67.94 90.64,67.94 86.95,64.25 86.95,60.44
DQS13_N: length 44
  Top w0.127: U14.100 50.39,80.32 50.65,80.06 50.65,79.53 v3(50.49,79.36) ; U15.AE15 v3(74.64,57.94)
  In5.Cu w0.09: v3(74.64,57.94) 74.64,57.64 74.58,57.58 74.06,57.58 73.87,57.39 73.62,57.39 73.34,57.67 73.34,60.45 73.33,60.46
  In5.Cu w0.127: v3(50.49,79.36) 50.67,79.55 50.67,79.71 50.49,79.89 50,79.89 49.9,79.79 49.9,78.37 50.44,77.83 arc(50.53,77.79) 50.62,77.83 50.63,77.84 arc(50.72,77.88) 50.81,77.84 arc(50.85,77.76) 50.81,77.67 50.8,77.65 arc(50.76,77.57) 50.8,77.48 51.49,76.78 51.49,73.67 53.75,71.41 57.19,71.41 60.96,67.64 68.16,67.64 73.33,62.47 73.33,60.46
DQS13_P: length 45.1
  Top w0.127: U15.AD15 v3(74.64,56.94) ; v3(51.14,79.36) 50.97,79.53 50.97,80.06 51.24,80.32 U14.99